# KiCad board CPU.kicad_pcb (continued)
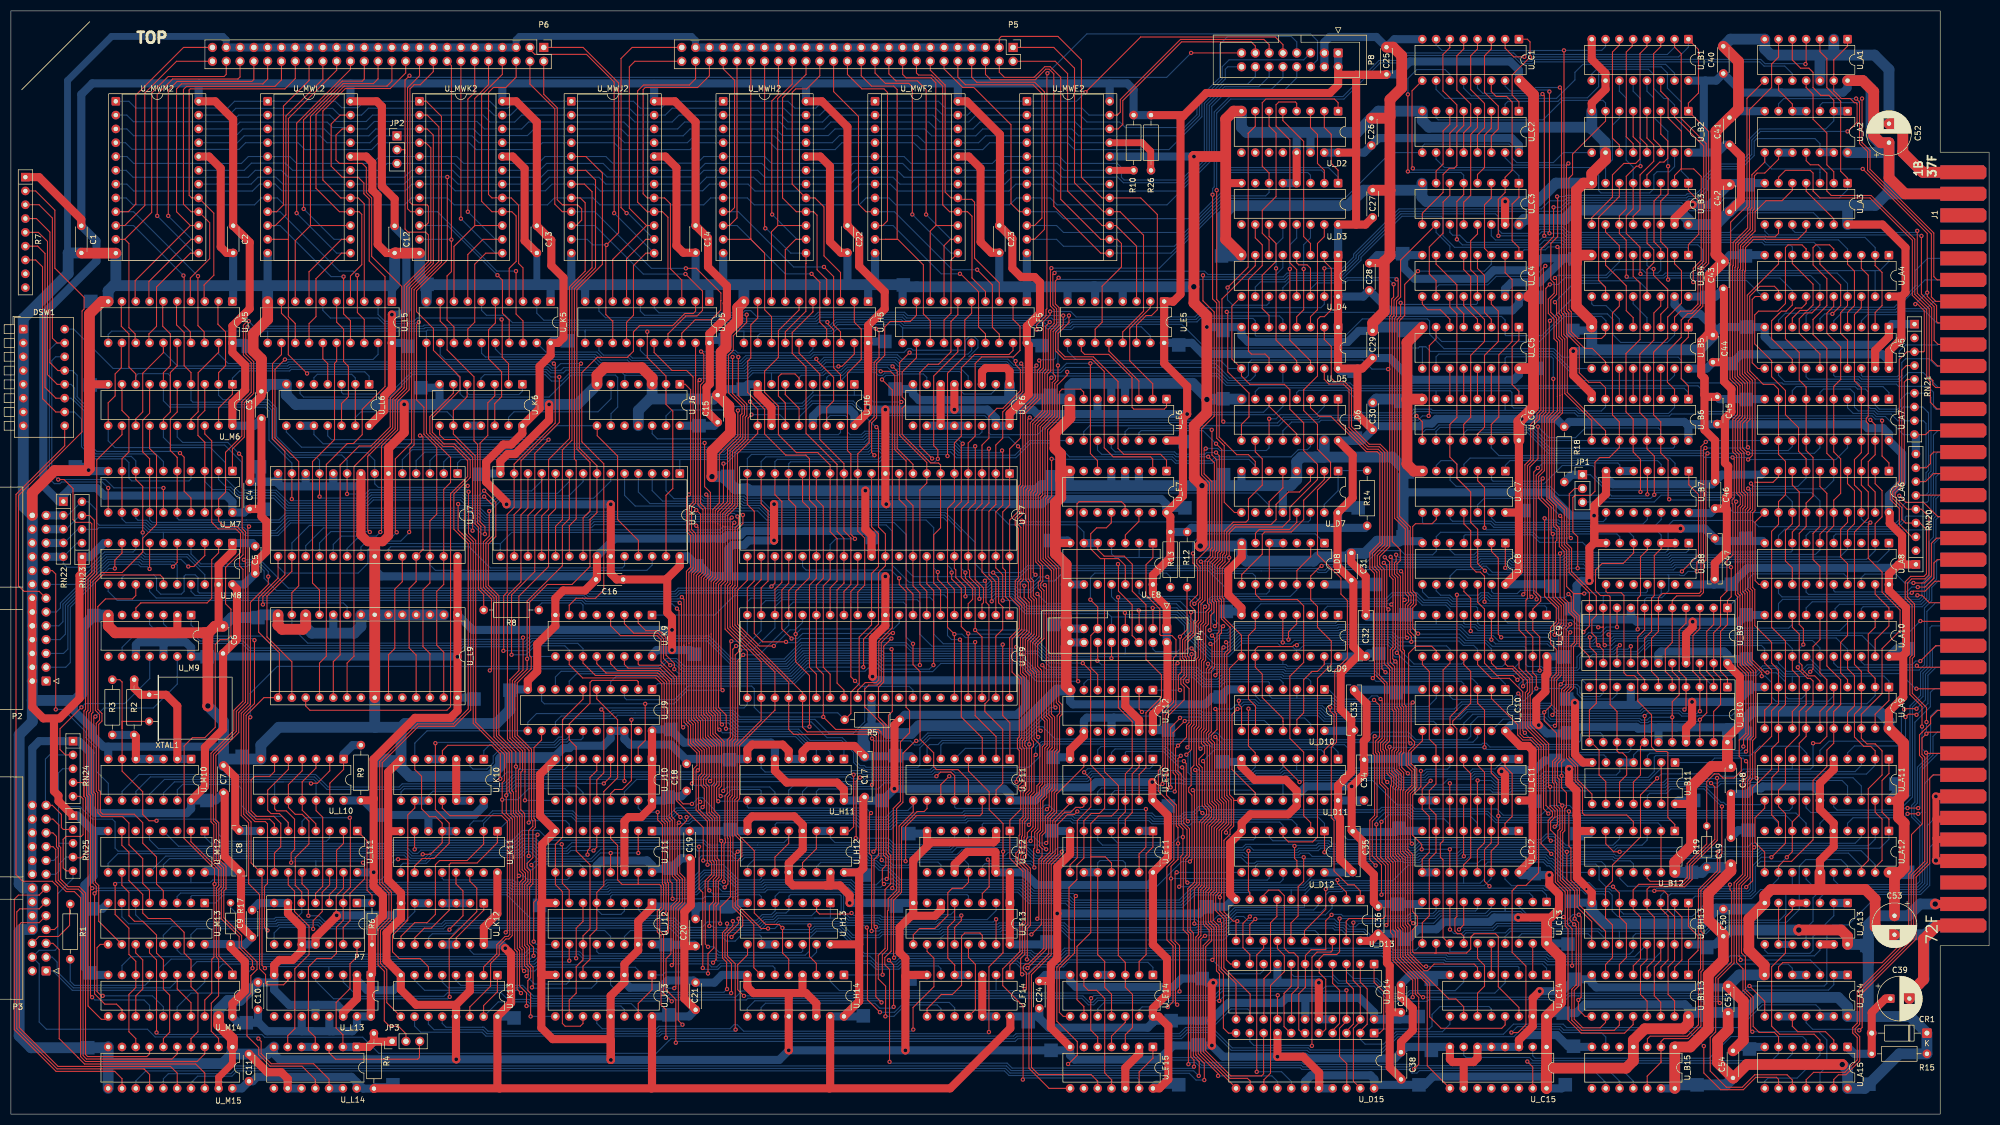
[diagram p0: board, top side]
## Routing (per net, layer and track width the routed paths; a pad name or vN(x,y) marks a point on that pad's centre or on a via; arc(x,y) is an arc through that point) (continued)
MWS.A_{1}: length 312.2
  Top w0.2: U_MWJ2.7 105.54,171.12 106.94,169.72 106.94,155.75 103.23,152.04 103.23,123.98 101.48,122.22 101.48,109.4 100.22,108.14 U_K7.19
  Bottom w0.2: P8.10 234.06,190.69 231.97,188.59 223.5,188.59 220.51,185.6 220.51,175.75 214.61,169.85 192.66,169.85 191.39,171.12 U_MWE2.7 184.92,171.12 183.65,169.85 163.07,169.85 161.8,171.12 U_MWF2.7 156.22,171.12 154.95,169.85 136.91,169.85 135.64,171.12 U_MWH2.7 128.53,171.12 127.31,169.9 109.02,169.9 108.97,169.85 108.46,169.85 107.19,171.12 U_MWJ2.7 99.57,171.12 98.35,169.9 81.75,169.9 80.52,171.12 U_MWK2.7 73.79,171.12 72.57,169.9 49.87,169.9 48.64,171.12 47.25,171.12 ; U_MWL2.7 45.72,171.12 44.45,169.85 22.61,169.85 21.34,171.12 U_MWM2.7
MWS.A_{2}: length 311.8
  Top w0.2: U_MWJ2.6 105.79,173.66 107.57,171.88 107.57,155.74 103.69,151.85 103.69,120.55 104.02,120.22 104.02,109.53 102.75,108.25 102.76,108.24 U_K7.20
  Bottom w0.2: U_MWM2.6 21.21,173.66 22.49,172.38 43.69,172.38 44.96,173.66 U_MWL2.6 49.79,173.66 51.06,172.39 72.42,172.39 73.69,173.66 U_MWK2.6 81.29,173.66 82.56,172.39 97.54,172.39 98.81,173.66 U_MWJ2.6 108.46,173.66 109.69,172.44 126.29,172.44 127.51,173.66 U_MWH2.6 137.42,173.66 138.69,172.39 154.18,172.39 155.45,173.66 U_MWF2.6 163.07,173.66 164.34,172.39 182.12,172.39 183.39,173.66 U_MWE2.6 192.15,173.66 193.42,172.39 203.69,172.39 204.7,171.37 215.47,171.37 220.05,175.96 220.05,185.78 223.32,189.05 229.63,189.05 231.52,190.94 P8.12
MWS.A_{3}: length 315.2
  Top w0.2: 105.29,102.64 105.29,109.72 106.56,110.99 106.56,119.95 104.14,122.36 104.14,151.67 108.84,156.36 108.84,173.15 105.79,176.2 U_MWJ2.5
  Bottom w0.2: P8.14 228.98,190.94 227.54,189.5 223.13,189.5 219.6,185.97 219.6,176.16 215.32,171.88 204.84,171.88 204.35,172.37 204.35,174.17 203.58,174.93 194.19,174.93 192.92,176.2 U_MWE2.5 181.87,176.2 180.6,174.93 165.61,174.93 164.34,176.2 U_MWF2.5 154.44,176.2 153.17,174.93 139.96,174.93 138.69,176.2 U_MWH2.5 127.51,176.2 126.29,174.98 110.7,174.98 109.48,176.2 U_MWJ2.5 98.3,176.2 97.03,174.93 83.32,174.93 82.05,176.2 U_MWK2.5 67.8,176.2 66.53,174.93 52.58,174.93 51.31,176.2 U_MWL2.5 43.69,176.2 42.42,174.93 22.61,174.93 21.34,176.2 U_MWM2.5
MWS.A_{4}: length 313.6
  Top w0.2: v1(66.04,107.1) 65.66,107.48 65.66,121.05 70.71,126.1 70.71,131.34 72.83,133.46 72.83,152.26 77.28,156.7 77.28,177.79 76.33,178.74 U_MWK2.4
  Bottom w0.2: v1(66.04,107.1) 65.96,107.19 58.88,107.19 56.79,105.09 U_J7.18 ; U_MWM2.4 21.09,178.74 22.31,177.52 41.96,177.52 43.19,178.74 U_MWL2.4 52.84,178.74 54.11,177.47 66.37,177.47 67.64,178.74 U_MWK2.4 84.33,178.74 85.6,177.47 96.53,177.47 97.8,178.74 U_MWJ2.4 111,178.74 112.27,177.47 124.97,177.47 126.24,178.74 U_MWH2.4 139.71,178.74 140.98,177.47 151.64,177.47 152.91,178.74 U_MWF2.4 166.12,178.74 167.39,177.47 178.82,177.47 180.09,178.74 U_MWE2.4 194.44,178.74 195.71,177.47 213.08,177.47 219.15,183.53 219.15,186.16 223.46,190.47 223.46,192.26 223.9,192.71 P8.16
MWS.A_{5}: length 327.6
  Top w0.2: v1(67.98,107.1) 68.2,107.32 68.2,122.95 71.16,125.91 71.16,131.16 73.28,133.27 73.28,152.07 77.73,156.51 77.73,180.13 76.58,181.28 U_MWK2.3
  Bottom w0.2: P8.5 237.88,193.99 224.16,193.99 222.89,192.72 222.89,190.54 218.69,186.35 218.69,183.72 214.98,180.01 196.47,180.01 195.2,181.28 U_MWE2.3 178.82,181.28 177.55,180.01 169.42,180.01 168.15,181.28 U_MWF2.3 151.64,181.28 150.42,180.06 141.95,180.06 140.72,181.28 U_MWH2.3 124.97,181.28 123.7,180.01 113.54,180.01 112.27,181.28 U_MWJ2.3 96.27,181.28 95.05,180.06 86.32,180.06 85.1,181.28 U_MWK2.3 67.14,181.28 65.87,180.01 58.93,180.01 57.66,181.28 U_MWL2.3 42.68,181.28 41.42,180.03 22.59,180.03 21.34,181.28 U_MWM2.3 ; v1(67.98,107.1) 67.23,106.35 60.84,106.35 59.33,104.84 U_J7.19
MWS.A_{6}: length 333
  Top w0.2: U_MWK2.2 76.58,183.82 78.75,181.66 78.75,156.89 73.74,151.88 73.74,123.57 70.74,120.57 70.74,107.31 v1(70.99,107.06)
  Bottom w0.152: 157.98,183.82 U_MWF2.2
  Bottom w0.2: v1(70.99,107.06) 69.83,105.9 63.68,105.9 61.87,104.08 61.87,102.63 ; 157.98,183.82 150.63,183.82 149.36,182.55 143.01,182.55 141.74,183.82 U_MWH2.2 122.94,183.82 121.67,182.55 114.81,182.55 113.54,183.82 U_MWJ2.2 93.99,183.82 92.72,182.55 88.14,182.55 86.87,183.82 U_MWK2.2 ; U_MWF2.2 169.68,183.82 170.95,182.55 176.28,182.55 177.55,183.82 U_MWE2.2 196.73,183.82 198,182.55 204.04,182.55 205.06,181.53 215.86,181.53 218.24,183.91 218.24,186.54 222.43,190.73 222.43,196.84 223.9,198.31 235.59,198.31 236.6,197.29 P8.7 ; U_MWM2.2 21.34,183.82 22.55,182.6 40.7,182.6 41.92,183.82 U_MWL2.2 58.68,183.82 59.86,182.64 65.38,182.64 66.55,183.82 74.93,183.82
MWS.A_{7}: length 323.9
  Top w0.2: v1(197.73,188.04) 207.9,198.2 232.65,198.2 234.06,196.78 P8.9 ; 75.19,186.36 76.46,186.36 79.23,183.59 79.23,156.73 74.19,151.69 74.19,123.13 73.41,122.36 73.41,107.23 v1(73.28,107.1)
  Bottom w0.2: U_J7.21 64.41,104.33 65.52,105.44 71.74,105.44 73.28,106.98 v1(73.28,107.1) ; v1(197.73,188.04) 196.06,186.36 U_MWE2.1 176.79,186.36 175.52,185.09 171.96,185.09 170.69,186.36 U_MWF2.1 ; 103.13,186.36 114.56,186.36 115.83,185.09 119.64,185.09 120.91,186.36 U_MWH2.1 143.01,186.36 144.28,185.09 148.09,185.09 149.36,186.36 159.01,186.36 ; U_MWJ2.1 92.72,186.36 91.45,185.09 89.41,185.09 88.14,186.36 U_MWK2.1 65.03,186.36 63.85,185.18 60.87,185.18 59.7,186.36 U_MWL2.1 41.15,186.36 39.91,185.12 22.96,185.12 21.72,186.36 U_MWM2.1
MWS.A_{8}: length 333.3
  Top w0.2: P8.11 231.52,196.78 230.56,197.75 215.2,197.75 204.14,186.68 204.14,184.38 203.58,183.82 U_MWE2.23 ; U_MWL2.23 60.58,183.82 58.93,182.17 58.93,174.42 60.97,172.39 63.88,172.39 64.95,171.32 64.95,169.36 65.93,168.38 65.93,156.98 68.84,154.08 68.84,133.88 64.65,129.69 64.65,125.02 63.01,123.39 61.89,123.39 58.04,119.54 58.04,84.25 56.79,83 U_L9.18
  Bottom w0.2: U_MWK2.23 91.95,183.82 93.22,185.09 113.8,185.09 115.07,183.82 U_MWJ2.23 120.4,183.82 121.67,185.09 142.25,185.09 143.52,183.82 U_MWH2.23 148.85,183.82 150.12,185.09 170.19,185.09 171.46,183.82 U_MWF2.23 176.03,183.82 177.3,185.09 197.11,185.09 198.38,183.82 U_MWE2.23 ; 90.18,183.82 88.91,183.82 87.64,185.09 65.79,185.09 64.52,183.82 U_MWL2.23 60.46,183.82 59.21,185.07 41.39,185.07 40.14,183.82 U_MWM2.23
MWS.A_{9}: length 331.8
  Top w0.2: U_MWE2.22 203.74,181.28 204.6,182.14 204.6,186.5 215.39,197.29 228.22,197.29 228.98,196.53 P8.13 ; U_L9.19 59.33,83.25 60.58,84.51 60.58,119.43 64.08,122.93 66.26,122.93 69.8,126.47 69.8,131.72 71.92,133.84 71.92,152.29 66.39,157.82 66.39,168.57 65.4,169.55 65.4,174.17 64.65,174.93 60.45,174.93 59.82,175.56 59.82,180.14 60.96,181.28 U_MWL2.22
  Bottom w0.2: 62.23,181.53 59.19,181.53 58.19,182.53 42.15,182.53 40.9,181.28 U_MWM2.22 ; U_MWL2.22 65.51,181.28 66.88,182.65 85.76,182.65 87.13,181.28 U_MWK2.22 93.99,181.28 95.26,182.55 112.78,182.55 114.05,181.28 U_MWJ2.22 122.69,181.28 123.96,182.55 141.48,182.55 142.75,181.28 U_MWH2.22 149.61,181.28 150.88,182.55 168.92,182.55 170.19,181.28 U_MWF2.22 177.04,181.28 178.31,182.55 195.84,182.55 197.11,181.28 U_MWE2.22
MWS.A_{10}: length 281.9
  Top w0.2: v1(73.33,191.07) 72.53,190.26 72.53,176.8 ; 61.87,76.64 61.87,83 63.12,84.25 63.12,119.15 70.26,126.28 70.26,131.53 72.37,133.65 72.37,152.44 76.82,156.89 76.82,161.79 76.33,162.28 73.09,162.28 72.53,162.84 72.53,176.8 ; v1(217.16,195.26) 226.43,195.26 ; 72.53,176.8 72.53,177.45 JP2.2
  Bottom w0.2: v1(73.33,191.07) 73.63,190.77 212.66,190.77 v1(217.16,195.26)
P7_1: length 17.2
  Top w0.2: R6.2 66.45,40.28 65.53,41.2 65.53,50.29 U_L11.1
  Bottom w1.5: P7.1 66.42,38.85 R6.2
P7_2: length 60.9
  Top w0.2: v1(62.36,54.53) 62.46,54.43 62.46,41.73 61.14,40.42 P7.2 61.14,35.65 59.9,34.4 59.9,29.6 58.95,28.65 56.3,28.65 54.75,27.1 54.75,15.42 56.02,14.15 U_L14.4
  Bottom w0.2: U_L11.5 53.58,53.88 54.23,54.53 v1(62.36,54.53)
  Bottom w1.5: U_L14.5 U_L14.4
P7_3: length 14.3
  Top w0.2: P7.3 58.61,40.37 59.93,41.69 59.93,48.55 61.19,49.81 U_L11.2
P7_4: length 56.4
  Top w0.2: P7.4 56.06,40.62 57.37,41.93 57.37,54.63 56.16,55.85 U_L10.12
  Bottom w0.2: U_L10.12 56.16,61.12 55.68,61.59 28.27,61.59 25.55,58.87 U_M10.11
P7_5: length 48.5
  Top w0.2: 51.06,57.72 51.06,60.63 53.6,63.18 53.6,65.34 ; U_L10.10 51.08,56.42 52.33,55.17 53.6,55.17 54.84,53.92 54.84,49.71 52.33,47.19 52.33,42.09 53.53,40.89 P7.5
  Bottom w0.2: R17.1 40.41,38.02 42.51,35.93 48.45,35.93 48.71,36.19 52.65,36.19 53.53,37.06 P7.5
P7_8: length 21.5
  Top w0.2: v1(55.62,34.08) 55.62,35.6 57.28,37.26 57.28,40.82 58.66,42.19 U_L11.14
  Bottom w0.2: 48.44,31.23 48.44,33.35 49.47,34.38 55.32,34.38 v1(55.62,34.08)
P7_13: length 87.8
  Top w0.2: v1(64.78,46.27) 65.08,45.97 65.08,43.28 62.4,40.6 62.4,35.6 61.14,34.34 P7.13 ; v1(55.22,60.84) 55.27,60.88 56.39,60.88 58.68,63.18 58.68,65.34 ; U_L10.9 48.53,56.17 48.9,55.8 50.68,55.8 52.2,54.28 52.2,48.68 51.57,48.06 v1(51.57,46.27)
  Bottom w0.2: 56.1,46.57 51.87,46.57 v1(51.57,46.27) ; 56.1,46.57 64.48,46.57 v1(64.78,46.27) ; 56.1,46.57 56.11,46.56 U_L11.13 ; U_M10.12 28.09,59.12 30.1,61.14 50.17,61.14 ; U_L10.9 48.53,61.14 54.92,61.14 v1(55.22,60.84)
Res.D_{0}: length 289.3
  Top w0.2: v1(281.31,81.61) 281.31,87.81 280.04,89.08 U_C9.2 280.04,92.94 281.49,94.39 281.49,95.19 280.66,96.02 280.66,117.53 281.71,118.58 281.71,128.46 282.43,129.17 282.43,151.93 v1(283.16,152.66) ; v1(222.13,7.04) 222.13,7.46 218.48,11.1 218.48,32.38 218.96,32.86 218.96,41.31 219.59,41.93 219.59,53.38 220.91,54.71 220.91,56.32 220.11,57.12 220.11,67.78 219.5,68.39 219.5,70.27 219.96,70.73 219.96,81.92 220.26,82.22 v1(220.26,82.85) ; U_B3.3 303.58,169.26 302.34,168.02 302.34,160.5 303.58,159.26 U_B4.3 ; U_B9.15 v1(298.07,86.09)
  Bottom w0.2: v1(220.26,82.85) 221.06,82.05 221.28,82.27 234.43,82.27 234.73,81.97 252.52,81.97 252.61,82.06 253.4,82.06 254,81.46 281.15,81.46 v1(281.31,81.61) 281.35,81.66 288.24,81.66 288.67,82.09 288.67,84 289.74,85.07 294.81,85.07 295.28,85.54 297.52,85.54 v1(298.07,86.09) ; U_B4.3 303.58,155.29 303.04,154.76 300.85,154.76 300.23,155.37 295.16,155.37 293.69,153.9 285.93,153.9 284.7,152.66 v1(283.16,152.66) ; v1(222.13,7.04) 232.03,7.04 233.11,5.96 233.11,4.74
Res.D_{1}: length 275.3
  Top w0.2: U_B3.13 301.04,160.28 302.3,159.02 302.3,156.67 301.04,155.42 U_B4.13 ; v1(272.41,87.3) 272.42,87.31 U_C9.5 ; 228.03,4.74 228.03,6.09 227.53,6.58 224.29,6.58 219.39,11.48 219.39,31 220.47,32.08 220.47,33.86 219.42,34.92 219.42,41.12 220.04,41.74 220.04,53.19 221.36,54.52 221.36,56.51 220.56,57.31 220.56,67.97 219.96,68.58 219.96,70.08 220.42,70.54 220.42,81.73 221.02,82.33 221.02,86.24 v1(220.72,86.54) ; v1(284.11,149.4) 284.41,149.1 284.41,147.1 284.85,146.66 284.85,143.05 285.47,142.43 285.47,132.4 285.47,132.4 285.47,129.01 283.98,127.52 283.98,113.68 286.28,111.38 286.28,104.99 287.17,104.11 287.17,99.85 289.99,97.03 290,97.03 291.72,95.31 291.72,91.75 290.91,90.93 290.91,88.5 291.72,87.68 291.72,86.66 v1(292.1,86.28) 292.99,85.39 U_B9.13
  Bottom w0.2: v1(284.11,149.4) 288.04,153.34 299.47,153.34 301.04,151.77 U_B4.13 ; v1(292.1,86.28) 291.91,86.08 283.15,86.08 282.71,86.53 273.19,86.53 v1(272.41,87.3) 272.11,87.61 268.11,87.61 266.54,89.17 244.48,89.17 244.29,88.99 225.68,88.99 224.28,87.58 222.29,87.58 221.24,86.54 v1(220.72,86.54)
Res.D_{2}: length 248.6
  Top w0.2: U_D15.11 224.03,14.91 223.1,15.84 223.1,25.73 222.29,26.54 222.29,34.62 221.23,35.67 221.23,40.37 221.86,40.99 221.86,52.44 223.18,53.77 223.18,57.26 222.38,58.06 222.38,88.18 222.75,88.55 222.75,89.48 v1(223.05,89.78) ; U_B4.6 295.96,159.77 293.42,162.31 U_B3.10 ; v1(289.34,88.7) 290.45,89.81 U_B9.11 290.45,95.94 289.81,96.58 289.81,96.58 286.72,99.67 286.72,103.92 285.83,104.81 285.83,111.2 283.53,113.49 283.53,127.71 285.02,129.19 285.02,132.21 285.01,132.22 285.01,142.24 284.39,142.86 284.39,146.47 283.34,147.53 283.34,149.78 284.41,150.85 284.41,153.55 v1(284.11,153.85)
  Bottom w0.2: v1(284.11,153.85) 284.62,154.36 293.5,154.36 295.96,156.82 U_B4.6 ; v1(289.34,88.7) 288.63,89.41 286.61,89.41 286.13,89.89 270.33,89.89 269.88,90.35 U_C9.6 269.88,93.14 269.62,93.4 264.93,93.4 264.21,94.12 259.87,94.12 258.5,95.48 254.32,95.48 253.19,94.36 221.39,94.36 221.39,91 222.61,89.78 v1(223.05,89.78)
Res.D_{3}: length 281.1
  Top w0.2: U_B9.9 v1(295.53,89.62) ; U_B3.6 295.96,168.83 292.15,165.02 292.15,153.42 293.42,152.15 U_B4.10 ; v1(284.06,88.2) 284.06,89.66 284.81,90.41 284.81,93.33 282.96,95.18 282.96,111.5 281.11,113.34 281.11,117.34 282.17,118.4 282.17,128.27 283.05,129.15 283.05,145.84 v1(283.18,145.97) ; U_D15.9 230.51,7.42 230.13,7.04 224.48,7.04 219.84,11.67 219.84,30.81 220.93,31.9 220.93,34.05 219.87,35.11 219.87,40.94 220.49,41.56 220.49,53.01 221.82,54.33 221.82,56.7 221.02,57.5 221.02,68.16 220.41,68.77 220.41,69.89 220.87,70.36 220.87,81.54 221.47,82.14 221.47,87.59 v1(221.01,88.05)
  Bottom w0.2: 262.26,90.09 U_C9.9 ; v1(221.01,88.05) 221.45,88.49 223.9,88.49 225.31,89.89 243.92,89.89 244.1,90.08 266.97,90.08 267.4,89.64 269.3,89.64 269.96,88.99 283.27,88.99 v1(284.06,88.2) 284.36,87.9 289.62,87.9 290.29,88.57 292.48,88.57 293.53,89.62 v1(295.53,89.62) ; U_B4.10 293.42,152.1 292.64,152.88 288.72,152.88 287.91,152.07 287.91,150.7 v1(283.18,145.97)
Res.D_{4}: length 415
  Top w0.2: U_D14.15 233.05,21.82 v1(233.1,21.87) ; 258.47,86.06 257.19,84.77 257.19,68.54 v1(257.52,68.21) ; 258.47,86.06 258.47,87.77 257.49,88.76 257.49,93.34 258.09,93.94 258.09,95.53 257.49,96.13 257.49,108.05 255.53,110.01 255.53,146.04 256.47,146.98 256.47,152.68 v1(258.9,155.11) ; 258.47,86.06 258.5,86.08 261.45,86.08 262.26,85.27 U_C9.12 ; U_C4.3 271.15,159.31 271.15,167.31 272.4,168.56 U_C3.3 ; v1(119.01,55.56) 119.01,54.14 119.89,53.26 119.89,42.35 120.09,42.15 120.09,37.84 119.39,37.14 119.39,33.72 120.09,33.02 120.09,22.26 v1(121.6,20.76) ; v1(222.35,20.85) 222.38,20.88 222.38,25.81 221.83,26.36 221.83,34.43 220.78,35.48 220.78,40.56 221.4,41.18 221.4,52.63 222.73,53.95 222.73,57.07 221.93,57.87 221.93,69.09 v1(221.62,69.39)
  Bottom w0.2: v1(119.01,55.56) 116.2,55.56 115.43,56.33 U_J10.15 ; U_B10.15 298.07,66.98 297.64,66.54 288.23,66.54 287.21,67.56 280.79,67.56 280.78,67.55 272.15,67.55 271.46,68.24 270.84,68.24 270.58,67.99 257.74,67.99 v1(257.52,68.21) 257.3,68.43 222.58,68.43 v1(221.62,69.39) ; U_C4.3 272.4,156.37 271.14,155.11 v1(258.9,155.11) ; v1(233.1,21.87) 223.37,21.87 v1(222.35,20.85) 222.29,20.91 200.06,20.91 199.26,20.12 198.26,20.12 197.06,21.31 135.61,21.31 135.31,21.01 121.84,21.01 v1(121.6,20.76)
Res.D_{5}: length 414.6
  Top w0.2: 115.38,42.28 119.32,42.28 119.64,41.96 119.64,38.02 118.94,37.32 118.94,33.54 119.64,32.84 119.64,20.12 120.53,19.23 v1(120.53,14.05) ; 115.38,42.28 112.46,42.28 111.64,43.1 111.64,49.45 110.35,50.74 U_J11.4 ; 115.38,42.28 115.43,42.33 U_J11.15 ; 228.03,17.99 228.03,22.09 223.2,26.92 223.2,35.94 221.69,37.45 221.69,40.18 222.31,40.8 222.31,52.25 223.63,53.58 223.63,57.45 222.83,58.25 222.83,85.58 v1(223.13,85.88) ; v1(255.71,149.28) 255.71,146.87 255.07,146.23 255.07,109.82 257.03,107.86 257.03,95.94 257.63,95.34 257.63,94.13 257.03,93.53 257.03,88.57 257.69,87.91 v1(257.69,86.91) ; U_C3.13 269.86,162 269.88,161.98 268.61,160.71 268.61,155.37 269.88,154.1 269.86,154.08 U_C4.13 ; v1(278.57,70.17) 278.2,70.54 278.2,77.71 275.72,80.19 272.42,80.19 269.88,82.73 U_C9.15
  Bottom w0.2: v1(278.57,70.17) 278.57,70.04 280.6,68.01 288.12,68.01 288.8,68.7 288.8,69.9 289.06,70.16 292.48,70.16 292.99,69.65 U_B10.13 ; U_D14.13 227.97,18.97 227.59,19.35 224.5,19.35 221.08,15.93 216.14,15.93 215.02,14.8 184.93,14.8 184.48,14.35 120.83,14.35 v1(120.53,14.05) ; v1(255.71,149.28) 256.01,148.98 269.64,148.98 269.86,149.2 U_C4.13 ; U_C9.15 269.88,85.52 269.15,86.25 267.26,86.25 266.46,87.05 257.83,87.05 v1(257.69,86.91) 257.2,86.91 257.19,86.9 255.39,86.9 254.03,88.26 244.85,88.26 244.67,88.08 226.06,88.08 223.86,85.88 v1(223.13,85.88)
Res.D_{6}: length 342.2
  Top w0.2: v1(256.88,87.66) 256.58,87.96 256.58,93.71 257.18,94.31 257.18,95.15 256.58,95.75 256.58,107.67 254.62,109.63 254.62,146.42 254.96,146.76 254.96,149.59 255.71,150.35 255.71,157.16 U_C3.10 ; U_C9.16 272.42,82.98 273.43,81.97 276.21,81.97 278.25,79.93 v1(278.25,78.73) ; v1(223.59,86.83) 223.89,86.53 223.89,85.39 223.29,84.79 223.29,58.44 224.09,57.64 224.09,53.39 222.76,52.07 222.76,40.62 222.46,40.32 v1(222.46,39.89) 222.46,37.31 223.65,36.13 223.65,28.37 224.41,27.61 U_D14.11
  Bottom w0.2: U_J12.4 110.35,40.04 110.68,40.37 126.22,40.37 127.77,41.92 129.96,41.92 130.94,40.94 133.23,40.94 133.57,41.29 138.55,41.29 139,41.74 154.11,41.74 155.02,40.83 185.29,40.83 187.33,38.79 194.06,38.79 194.83,38.02 215.53,38.02 217.84,40.33 222.03,40.33 v1(222.46,39.89) ; U_C9.16 272.42,85.62 272.39,85.62 271.31,86.7 267.44,86.7 266.48,87.66 256.88,87.66 v1(256.88,87.66) 255.27,87.66 254.21,88.72 244.66,88.72 244.48,88.53 225.87,88.53 224.17,86.83 v1(223.59,86.83) ; U_C4.6 264.78,159.71 262.24,162.25 U_C3.10 ; U_B10.11 289.19,79.84 282.56,79.84 282.2,79.48 279,79.48 v1(278.25,78.73)
Res.D_{7}: length 388.5
  Top w0.2: v1(280.68,78.32) 280.68,80.56 280.04,81.2 U_C9.19 280.04,87.81 278.77,89.08 278.77,94.56 279.04,94.83 279.04,119.29 280.09,120.34 280.09,126.71 281.26,127.89 281.26,128.65 281.98,129.36 281.98,155.71 v1(282.34,156.07) ; v1(221.63,74.55) 221.93,74.25 221.93,70.77 220.86,69.71 220.86,68.95 221.47,68.35 221.47,57.69 222.27,56.89 222.27,54.14 220.95,52.82 220.95,41.37 220.33,40.75 220.33,35.29 221.38,34.24 221.38,28.68 v1(221.08,28.38) ; U_C4.10 262.24,153.36 260.99,154.61 260.99,159.56 263.53,162.1 263.53,167.82 264.78,169.07 U_C3.6
  Bottom w0.2: U_B10.9 295.53,77.27 294.65,76.39 289.17,76.39 288.22,77.34 288.22,78.23 287.86,78.59 285.73,78.59 285.46,78.32 v1(280.68,78.32) 278.41,76.05 277.29,76.05 276.65,75.4 267.08,75.4 265.77,74.09 242.35,74.09 241.29,75.15 229.45,75.15 228.78,75.82 226.76,75.82 226.25,75.3 225.38,75.3 224.62,74.55 v1(221.63,74.55) ; U_J12.12 107.81,29.91 108.19,29.53 129.93,29.53 130.22,29.25 146.17,29.25 146.94,30.02 146.94,32.37 148.23,33.66 152.28,33.66 153.03,32.91 153.07,32.91 156.9,29.08 158.06,29.08 159.57,27.57 163.01,27.57 163.61,28.17 185.19,28.17 185.65,27.71 187.26,27.71 187.42,27.55 193.5,27.55 194.33,28.38 v1(221.08,28.38) 223.63,25.83 229.87,25.83 230.51,26.47 U_D14.9 ; v1(282.34,156.07) 280.42,154.15 273.31,154.15 271.75,152.6 262.79,152.6 262.24,152.05 U_C4.10
SEQ.S1_{1}: length 57.2
  Top w0.2: U_K6.8 78.88,125.01 79.76,124.13 81.71,124.13 84.97,120.88 84.97,107.37 v1(84.95,107.35)
  Bottom w0.2: U_J7.17 54.25,104.59 57.52,107.86 84.45,107.86 v1(84.95,107.35)
SEQ.S2_{1}: length 95.2
  Top w0.2: U_L9.17 54.25,75.09 55.03,74.31 80.23,74.31 80.9,74.98 80.9,114.16 84.06,117.31 84.06,120.21 81.41,122.86 79.51,122.86 77.09,125.28 77.09,128.32 81.42,132.64 81.42,134.29
SEQ.SH_{0}: length 98.8
  Top w0.2: U_K6.3 89.03,132.16 87.76,130.89 87.76,124.89 86.33,123.46 86.33,108.97 87.23,108.07 v1(87.23,106.73) ; U_J7.16 51.71,99.88 47.12,95.29 47.12,87.81 51.71,83.22 U_L9.16
  Bottom w0.2: v1(87.23,106.73) 86.64,106.73 85.04,108.33 54.94,108.33 51.71,105.09 U_J7.16
SEQ.~{FE}: length 110.9
  Top w0.2: U_K7.25 115.46,105.57 111.64,109.4 111.64,121.08 107.89,124.83 107.89,126.67 ; U_L9.25 74.57,84.49 73.28,85.78 73.28,96.7 74.57,97.98 U_J7.25 75.82,103.89 75.82,124.62 75.59,124.85 v1(75.28,124.85)
  Bottom w0.2: U_J6.8 100.37,126.67 98.25,124.55 75.58,124.55 v1(75.28,124.85)
SEQ.~{RE}: length 121.1
  Bottom w0.2: U_K7.1 123.08,120.45 122.3,120.45 ; U_E6.9 194.84,123.93 187.43,123.93 184.74,121.24 174.26,121.24 173.21,122.3 160.72,122.3 160.08,122.94 158.24,122.94 157.6,122.3 133.59,122.3 131.74,120.45 122.3,120.45 ; U_J7.1 82.19,119.83 82.81,120.45 122.3,120.45
VERIFY_CR1: length 17.1
  Top w1.5: R15.2 CR1.2 342.39,18.72 344.93,21.26 C39.1
  Bottom w1.5: R15.2 339.22,11.1 337.96,12.36
Net-(J1-Pin_30): length 32.7
  Top w1.27: 354.21,50.72 354.21,46.91 354.54,46.58 J1.33 ; 354.21,50.72 354.39,50.54 J1.68 ; 354.21,50.72 354.21,54.28 ; v2(354.21,58.46) J1.30 354.32,58.46 354.21,58.34 354.21,54.28 ; 354.21,54.28 357.03,54.28
  Bottom w1.27: v5(354.21,46.66) 357.17,46.66 ; v2(354.21,58.46) J1.30
Net-(JP1-A): length 21.9
  Top w0.2: v1(301.12,114.04) 301.12,114.05 U_B7.4
  Bottom w0.2: v1(301.12,114.04) 300.82,113.74 294.54,113.74 290.63,117.65 JP1.1
  Bottom w1.5: R18.2 287.18,117.65 JP1.1
Net-(JP1-B): length 116.2
  Top w0.2: U_B12.12 301.08,43.4 301.63,42.85 307.72,42.85 308.44,43.56 308.44,46.1 312.04,49.71 R19.2 312.04,61.19 313.46,62.61 314.25,62.61 315.01,61.85 317.07,61.85 318.39,63.17 318.39,65.46 318.01,65.84 318.01,68.83 319.24,70.06 319.24,80.94 317.7,82.48 317.7,95.2 317.31,95.59 317.31,99.29 317.3,99.3 317.3,112.55 v1(317.45,112.7)
  Bottom w0.2: 289.25,112.64 302.38,112.64 303.63,113.89 311.35,113.89 311.78,113.45 316.7,113.45 v1(317.45,112.7)
Net-(JP2-A): length 185.7
  Top w1.27: R26.2 209.73,173.71 209.73,177.17 208.16,178.74 U_MWE2.21
  Bottom w0.2: U_MWM2.21 41.66,178.74 42.93,180.01 56.9,180.01 58.17,178.74 U_MWL2.21 66.07,178.74 67.34,180.01 84.84,180.01 86.11,178.74 U_MWK2.21 96.02,178.74 97.29,180.01 111.64,180.01 112.91,178.74 U_MWJ2.21 124.47,178.74 125.74,180.01 140.47,180.01 141.74,178.74 U_MWH2.21 151.14,178.74 152.45,180.06 166.84,180.06 168.15,178.74 U_MWF2.21 178.06,178.74 179.33,180.01 194.57,180.01 195.84,178.74 U_MWE2.21
Net-(JP2-B): length 178.4
  Top w1.27: U_MWE2.19 R10.2
  Bottom w0.2: U_MWE2.19 193.81,173.66 192.54,174.93 182.89,174.93 181.62,173.66 U_MWF2.19 165.36,173.66 164.09,174.93 154.95,174.93 153.68,173.66 U_MWH2.19 139.45,173.66 138.18,174.93 127.77,174.93 126.5,173.66 U_MWJ2.19 110.24,173.66 108.97,174.93 98.56,174.93 97.29,173.66 U_MWK2.19 82.81,173.66 81.54,174.93 69.23,174.93 67.96,173.66 U_MWL2.19 51.82,173.66 50.51,174.98 44.25,174.98 42.93,173.66 U_MWM2.19
Net-(JP3-C): length 362.3
  Top w0.2: JP3.2 72.69,14.79 71.3,16.18 69.68,16.18 68.71,17.15 68.71,26.29 67.56,27.44 67.56,33.79 67.56,33.79 67.56,34 69.56,36.01 69.56,40.67 68.91,41.32 68.91,41.34 67.86,42.38 67.86,64.86 74.81,71.81 81.41,71.81 84.16,74.55 84.16,104.98 82.55,106.58 82.55,106.59 81.51,107.62 81.51,114.12 84.51,117.12 84.51,120.4 81.6,123.31 79.7,123.31 77.55,125.47 77.55,128.13 82.63,133.21 82.63,135.66 77.75,140.54 77.75,144.55 74.64,147.66 74.64,151.5 80.3,157.16 v1(80.3,172.44)
  Bottom w0.2: U_MWM2.18 44.2,171.12 45.47,172.39 48.77,172.39 50.04,171.12 U_MWL2.18 72.37,171.12 73.68,172.44 80.99,172.44 82.3,171.12 U_MWK2.18 97.8,171.12 99.07,172.39 108.21,172.39 109.48,171.12 U_MWJ2.18 126.75,171.12 128.02,172.39 136.66,172.39 137.93,171.12 U_MWH2.18 154.44,171.12 155.71,172.39 162.31,172.39 163.58,171.12 U_MWF2.18 182.89,171.12 184.16,172.39 191.52,172.39 192.79,171.12 U_MWE2.18
Net-(P2-Pin_5): length 35.6
  Top w0.2: v1(25.53,100.32) 25.52,100.32 U_M8.7
  Bottom w0.2: P2.5 9.69,84.77 10.49,85.57 10.49,93.47 18.17,101.16 23.45,101.16 23.88,100.72 25.12,100.72 v1(25.53,100.32)
Net-(P2-Pin_7): length 37.4
  Top w0.2: 30.6,105.08 30.6,101.52 v1(29.82,100.74)
  Bottom w0.2: P2.7 9.03,87.31 10.03,88.31 10.03,93.66 17.98,101.61 23.63,101.61 24.07,101.18 29.38,101.18 v1(29.82,100.74)
Net-(P2-Pin_13): length 89.3
  Top w0.2: P2.13 5.22,96.19 2.42,96.19 1.4,97.21 1.4,113.84 13.1,125.54 13.1,147.77 13.47,148.14 13.47,150.29 8.1,155.66 8.1,166.33 4.56,169.87 R7.2
Net-(P3-Pin_4): length 116.4
  Top w0.2: RN25.5 10.16,44.75 9.62,45.3 9.62,50.56 10.16,51.1 12.96,51.1 13.28,51.43 13.28,58.02 12.83,58.47 RN24.5 ; v1(45.55,13.9) 46.05,13.4 46.05,11.14 47.92,9.27 55.71,9.27 58.56,6.42 U_L14.12
  Bottom w0.2: v1(45.55,13.9) 45.25,14.2 26.54,14.2 25.12,15.62 6.53,15.62 5.21,16.94 5.21,27.62 P3.4 5.2,30.15 8.13,30.15 8.64,30.66 8.64,40.56 11.43,43.36 RN25.5
  Bottom w1.5: U_L14.12 U_L14.13
Net-(P3-Pin_5): length 51.5
  Top w0.2: P3.5 7.74,31.43 8.89,30.28 8.89,13.89 12.38,10.41 12.38,10.4 13.55,9.23 34,9.23 35.69,7.55 U_M15.18
Net-(P3-Pin_6): length 12
  Top w0.2: P3.6 5.2,32.69 8.77,32.69 10.8,34.72 10.8,38.53
Net-(P3-Pin_9): length 59.9
  Top w0.2: P3.9 5.2,35.23 1.91,35.23 1.55,34.87 1.55,15.92 8.69,8.78 29.38,8.78 30.6,7.55 30.6,4.74
Net-(P3-Pin_11): length 58.1
  Top w0.2: U_M15.14 25.52,7.29 24.5,8.32 8.5,8.32 1.09,15.73 1.09,37.21 1.65,37.77 5.21,37.77 5.21,37.78 P3.11
Net-(P3-Pin_13): length 56
  Top w0.2: P3.13 5.21,40.32 5.21,40.31 1.4,40.31 0.64,39.55 0.64,15.54 8.32,7.87 19.11,7.87 20.45,6.53 U_M15.12
Net-(P3-Pin_19): length 68
  Top w0.2: U_M15.3 35.69,11.1 34.27,9.68 13.74,9.68 12.83,10.59 12.83,39.8 11.69,40.94 10.16,40.94 8.51,42.6 8.51,42.6 8.26,42.86 8.26,48.69 7.74,49.21 P3.19
Net-(P3-Pin_21): length 65
  Top w0.2: 30.6,12.36 30.6,11.1 29.64,10.14 13.93,10.14 13.28,10.78 13.28,40.5 12.38,41.4 10.35,41.4 8.97,42.78 8.97,42.79 8.71,43.05 8.71,48.88 8.38,49.21 8.38,51.1 7.74,51.75 P3.21
Net-(P3-Pin_23): length 61.7
  Top w0.2: U_M15.7 25.52,11.09 25.02,10.59 14.11,10.59 13.74,10.97 13.74,40.69 12.57,41.85 10.54,41.85 9.42,42.97 9.42,42.98 9.17,43.23 9.17,49.07 8.84,49.4 8.84,53.19 7.74,54.29 P3.23
